# Altium PCB Stm32_2lados_pcb.PcbDoc (continued)
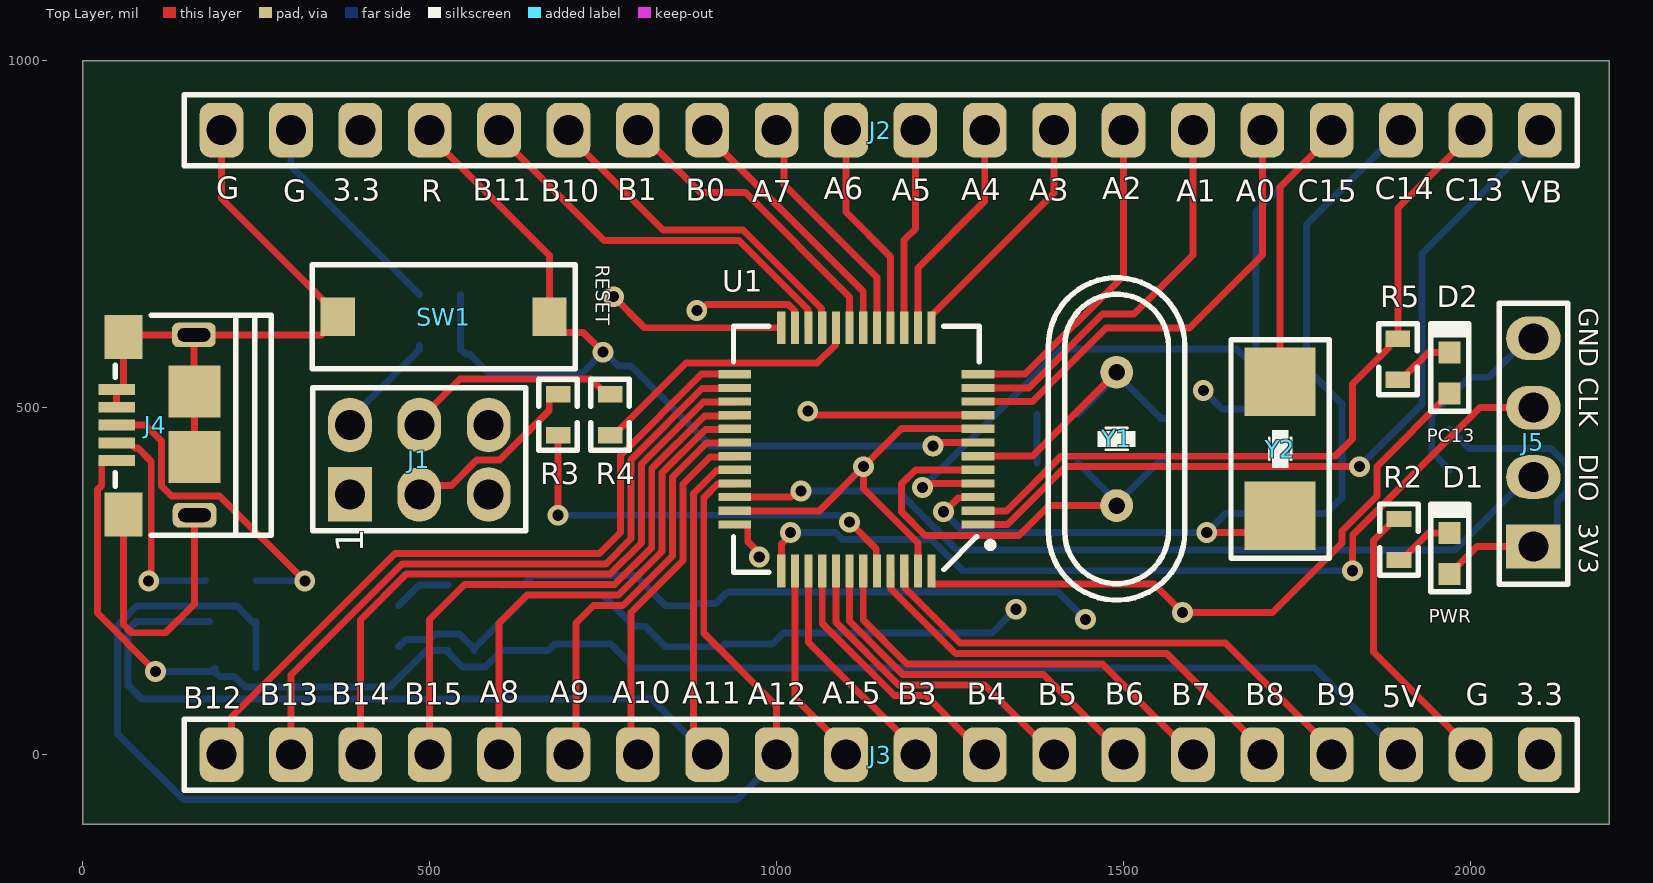
[diagram p0: Top Layer view]
## Part data (continued)
J3: library part HDR_1x20_p2, "2.54mm (0.1\") Pitch SIL Vertical PC Tail Pin Header, 6.1mm mating pin height, tin, 20 contacts", Case/Package=SIL, Color=Black, Contact Resistance=30mR, Current Rating=3A, Insulation Resistance=10GR, Manufacturer=Harwin, Manufacturer Part Number=M20-9992046, Max Operating Temperature=105°C, Min Operating Temperature=-40°C, Package Quantity=200, Supplier Part Number 1=952-1902-ND, Category="Headers and Wire Housings", ComponentLink1Description=https://datasheet.ciiva.com/11746/0900766b80da602d-11746823.pdf?src-supplier=RSComponents, ComponentLink1URL=https://datasheet.ciiva.com/11746/0900766b80da602d-11746823.pdf?src-supplier=RSComponents, ComponentLink2Description=https://datasheet.ciiva.com/9480/m20-999-9480261.pdf?src-supplier=Avnet, ComponentLink2URL=https://datasheet.ciiva.com/9480/m20-999-9480261.pdf?src-supplier=Avnet, ComponentLink3Description=https://datasheet.ciiva.com/5162/m20-999-351179-5162878.pdf?src-supplier=Mouser, ComponentLink3URL=https://datasheet.ciiva.com/5162/m20-999-351179-5162878.pdf?src-supplier=Mouser, ComponentLink4Description=https://datasheet.ciiva.com/6814/m20-999-6814908.pdf?src-supplier=Digi-Key, ComponentLink4URL=https://datasheet.ciiva.com/6814/m20-999-6814908.pdf?src-supplier=Digi-Key, ComponentLink5Description=https://datasheet.ciiva.com/8046/315376-8046943.pdf?src-supplier=Element14, ComponentLink5URL=https://datasheet.ciiva.com/8046/315376-8046943.pdf?src-supplier=Element14, Connector Type="Male Pin", Contact Material=Brass,Bronze, Contact Mating Length=0.24inch, Contact Plating=Tin, Contact Type="Male Pin", Depth=2.54mm, Gender=Male, Housing Color=Black, Housing Material=Nylon, Length=50.8mm, Max Current Rating=3A, Mount="Through Hole", Number of Contacts=20, Number of Positions=20, Number of Rows=1, Orientation=Straight, Packaging=Bulk, Pitch=2.54mm, Pricing 1="1=0,81000, 10=0,70300, 100=0,57960, 500=0,50400, 1000=0,41580, 5000=0,36540, 10000=0,34020 (USD)", REACH SVHC="No SVHC", RoHS=Yes, RoHS Compliant=Yes, Series=M20, Stock 1=425, Supplier 1=Digi-Key, Termination=Solder
J4: library part Micro-Usb, "FCI Right Angle Surface Mount Mount Female USB Connector; 100 V ac; 1.8A", Manufacturer="Amphenol ICC / FCI", Supplier Part Number 1=67T2259, Category="USB Connectors", ComponentLink1Description=http://uk.rs-online.com/webdocs/1450/0900766b814507f1.pdf?src-supplier=RSComponents, ComponentLink1URL=http://uk.rs-online.com/webdocs/1450/0900766b814507f1.pdf?src-supplier=RSComponents, ComponentLink2Description=http://www.amphenol-icc.com/media/wysiwyg/files/drawing/10118193.pdf?src-supplier=Digi-Key, ComponentLink2URL=http://www.amphenol-icc.com/media/wysiwyg/files/drawing/10118193.pdf?src-supplier=Digi-Key, ComponentLink3Description=https://cdn.amphenol-icc.com/media/wysiwyg/files/documentation/datasheet/inputoutput/io_usb_micro.pdf?src-supplier=Digi-Key, ComponentLink3URL=https://cdn.amphenol-icc.com/media/wysiwyg/files/documentation/datasheet/inputoutput/io_usb_micro.pdf?src-supplier=Digi-Key, ComponentLink4Description=https://cdn.amphenol-icc.com/media/wysiwyg/files/documentation/datasheet/inputoutput/io_usb_micro.pdf?src-supplier=Verical, ComponentLink4URL=https://cdn.amphenol-icc.com/media/wysiwyg/files/documentation/datasheet/inputoutput/io_usb_micro.pdf?src-supplier=Verical, ComponentLink5Description=https://cdn.amphenol-icc.com/media/wysiwyg/files/documentation/datasheet/inputoutput/io_usb_micro.pdf?src-supplier=Onlinecomponents.com, ComponentLink5URL=https://cdn.amphenol-icc.com/media/wysiwyg/files/documentation/datasheet/inputoutput/io_usb_micro.pdf?src-supplier=Onlinecomponents.com, ComponentLink6Description=https://cdn.amphenol-icc.com/media/wysiwyg/files/documentation/datasheet/inputoutput/io_usb_micro.pdf?src-supplier=Allied+Electronics, ComponentLink6URL=https://cdn.amphenol-icc.com/media/wysiwyg/files/documentation/datasheet/inputoutput/io_usb_micro.pdf?src-supplier=Allied+Electronics, ComponentLink7Description=https://cdn.amphenol-icc.com/media/wysiwyg/files/documentation/datasheet/inputoutput/io_usb_micro.pdf?src-supplier=Avnet, ComponentLink7URL=https://cdn.amphenol-icc.com/media/wysiwyg/files/documentation/datasheet/inputoutput/io_usb_micro.pdf?src-supplier=Avnet, ComponentLink8Description=https://cdn.amphenol-icc.com/media/wysiwyg/files/documentation/datasheet/inputoutput/io_usb_micro.pdf?src-supplier=Mouser, ComponentLink8URL=https://cdn.amphenol-icc.com/media/wysiwyg/files/documentation/datasheet/inputoutput/io_usb_micro.pdf?src-supplier=Mouser, ComponentLink9Description=https://cdn.amphenol-icc.com/media/wysiwyg/files/documentation/datasheet/inputoutput/io_usb_micro.pdf?src-supplier=Arrow+Electronics, ComponentLink9URL=https://cdn.amphenol-icc.com/media/wysiwyg/files/documentation/datasheet/inputoutput/io_usb_micro.pdf?src-supplier=Arrow+Electronics, ComponentLink10Description=https://cdn.amphenol-icc.com/media/wysiwyg/files/documentation/datasheet/inputoutput/io_usb_micro.pdf?src-supplier=RSComponents, ComponentLink10URL=https://cdn.amphenol-icc.com/media/wysiwyg/files/documentation/datasheet/inputoutput/io_usb_micro.pdf?src-supplier=RSComponents, ComponentLink11Description=https://cdn.amphenol-icc.com/media/wysiwyg/files/documentation/datasheet/inputoutput/io_usb_micro.pdf?src-supplier=Heilind+Electronics, ComponentLink11URL=https://cdn.amphenol-icc.com/media/wysiwyg/files/documentation/datasheet/inputoutput/io_usb_micro.pdf?src-supplier=Heilind+Electronics, ComponentLink12Description=https://cdn.amphenol-icc.com/media/wysiwyg/files/documentation/datasheet/inputoutput/io_usb_micro.pdf?src-supplier=TTI, ComponentLink12URL=https://cdn.amphenol-icc.com/media/wysiwyg/files/documentation/datasheet/inputoutput/io_usb_micro.pdf?src-supplier=TTI, ComponentLink13Description=https://cdn.amphenol-icc.com/media/wysiwyg/files/documentation/datasheet/inputoutput/io_usb_micro.pdf?src-supplier=TME, ComponentLink13URL=https://cdn.amphenol-icc.com/media/wysiwyg/files/documentation/datasheet/inputoutput/io_usb_micro.pdf?src-supplier=TME, Manufacturer Part Number=10118193-0001LF, Pricing 1="1=0,53800, 25=0,38000, 100=0,36700, 250=0,34300, 500=0,31900 (USD)", RoHS=No, Stock 1=17288, Supplier 1=Avnet
J5: library part HDR_1x4_2.54mm, "Conn Unshrouded Header HDR 4 POS 2.54mm Solder ST Top Entry Thru-Hole T/R", Color=Black, Current Rating=3A, Insulation Resistance=5GR, Manufacturer="Amphenol ICC / FCI", Manufacturer Part Number=77311-462K04LF, Max Operating Temperature=125°C, Max Voltage Rating (AC)=1.5kV, Min Operating Temperature=-65°C, Package Quantity=1400, Category="Headers and Wire Housings", ComponentLink1Description=https://datasheet.ciiva.com/739/77311-739277.pdf?src-supplier=Digi-Key, ComponentLink1URL=https://datasheet.ciiva.com/739/77311-739277.pdf?src-supplier=Digi-Key, ComponentLink2Description=https://datasheet.ciiva.com/739/77311-739280.pdf?src-supplier=Digi-Key, ComponentLink2URL=https://datasheet.ciiva.com/739/77311-739280.pdf?src-supplier=Digi-Key, ComponentLink3Description=https://datasheet.ciiva.com/10147/77311-10147511.pdf?src-supplier=Avnet, ComponentLink3URL=https://datasheet.ciiva.com/10147/77311-10147511.pdf?src-supplier=Avnet, Connector Type="Male Pin", Contact Gender=Male, Contact Material=Bronze, Contact Mating Length=0.531inch, Contact Plating=Tin, Contact Post Length=3.05mm, Contact Type="Male Pin", Depth=2.4mm, Gender=Male, Housing Color=Black, Housing Material=Thermoplastic, Lead Free="Lead Free", Length=10.16mm, Mount="Through Hole", Number of Contacts=4, Number of Positions=4, Number of Rows=1, Orientation=Straight, Packaging="Tape and Reel", Pitch=2.54mm, Radiation Hardening=No, RoHS=Yes, Series="BERGSTIK®, MezzSelect™, Basics+", Supplier 1="Arrow Electronics", Supplier Part Number 1=77311-462K04LF, Termination=Solder, Voltage Rating=1.5kV
R1: library part R_0603_10K, "Res Thin Film 0603 10K Ohm 0.5% 0.1W(1/10W) ±50ppm/C Epoxy SMD T/R", Case Code (Imperial)=0603, Case Code (Metric)=1608, Manufacturer=Yageo, Manufacturer Part Number=RT0603DRE0710KL, Max Operating Temperature=125°C, Max Power Dissipation=100mW, Min Operating Temperature=-55°C, Package Quantity=5000, Resistance=10kR, Resistor Type="Thin Film", Supplier Part Number 1=YAG2318CT-ND, Temperature Coefficient=50ppm/°C, Tolerance=0.5%, Voltage Rating=75V, Voltage Rating (DC)=50V, Case/Package=0603, Category="Chip SMD Resistors", ComponentLink1Description=https://datasheet.ciiva.com/2565/pyu-rt-1-to-0-05-rohs-l-5-2565939.pdf?src-supplier=Digi-Key, ComponentLink1URL=https://datasheet.ciiva.com/2565/pyu-rt-1-to-0-05-rohs-l-5-2565939.pdf?src-supplier=Digi-Key, Construction=Rectangular, Depth=0.8mm, Features="Moisture Resistant", Height=0.022inch, Lead Free="Lead Free", Length=0.063inch, Military Standard=Not, Number of Terminations=2, Packaging="Tape and Reel", Power Rating=100mW, Pricing 1="1=0,11000, 10=0,09600, 100=0,03700, 1000=0,01626, 2500=0,01404 (USD)", RoHS=Yes, RoHS Compliant=Yes, Series=RT, Size Code=0603, Stock 1=494, Supplier 1=Digi-Key, Termination=SMD/SMT, Width=0.031inch
R2 R5: library part R_0603_510r, "Res Thick Film 0603 510 Ohm 1% 1/10W 100ppm/C Molded SMD Paper T/R", Case Code (Imperial)=0603, Case Code (Metric)=1608, Manufacturer=Yageo, Manufacturer Part Number=RC0603FR-07510RL, Max Operating Temperature=155°C, Max Power Dissipation=100mW, Min Operating Temperature=-55°C, Resistance=510R, Resistance Tolerance=1%, Resistor Type="Thick Film", Supplier Part Number 1=311-510HRCT-ND, Temperature Coefficient=100ppm/°C, Voltage Rating=75V, Voltage Rating (DC)=50V, Case/Package=0603, Category="Chip SMD Resistors", ComponentLink1Description=https://datasheet.ciiva.com/11808/0900766b80f96399-11808268.pdf?src-supplier=RSComponents, ComponentLink1URL=https://datasheet.ciiva.com/11808/0900766b80f96399-11808268.pdf?src-supplier=RSComponents, ComponentLink2Description=https://datasheet.ciiva.com/46395/443971-46395013.pdf?src-supplier=Element14, ComponentLink2URL=https://datasheet.ciiva.com/46395/443971-46395013.pdf?src-supplier=Element14, ComponentLink3Description=https://datasheet.ciiva.com/8883/pyu-rc0603-51-rohs-l-4-8883078.pdf?src-supplier=Avnet, ComponentLink3URL=https://datasheet.ciiva.com/8883/pyu-rc0603-51-rohs-l-4-8883078.pdf?src-supplier=Avnet, Construction=Rectangular, Contact Plating=Tin,Matte, Depth=0.8mm, Features="Moisture Resistant", Height=0.45mm, Lead Free="Lead Free", Length=1.6mm, Military Standard=Not, Number of Pins=2, Number of Terminations=2, Packaging="Tape and Reel", Power Rating=100mW, Pricing 1="1=0,10000, 10=0,02300, 100=0,00930, 1000=0,00417, 2500=0,00362 (USD)", REACH SVHC="No SVHC", RoHS=Yes, RoHS Compliant=Yes, Series=RC, Size Code=0603, Stock 1=1855476, Supplier 1=Digi-Key, Technology="THICK FILM", Termination=SMD/SMT, Tolerance=1%, Weight=7.1E-05oz, Width=0.8mm
R3 R4: library part R_0603_100K, "RES SMD 100K OHM 1% 1/10W 0603", Case Code (Imperial)=0603, Case Code (Metric)=1608, Manufacturer=Yageo, Manufacturer Part Number=RC0603FR-07100KL, Max Operating Temperature=155°C, Max Power Dissipation=100mW, Min Operating Temperature=-55°C, Resistance=100kR, Resistance Tolerance=1%, Resistor Type="Thick Film", Supplier Part Number 1=311-100KHRCT-ND, Temperature Coefficient=100ppm/°C, Voltage Rating=50V, Working Voltage=75V, Case/Package=0603, Category="Chip SMD Resistors", ComponentLink1Description=https://datasheet.ciiva.com/11808/0900766b80f96399-11808107.pdf?src-supplier=RSComponents, ComponentLink1URL=https://datasheet.ciiva.com/11808/0900766b80f96399-11808107.pdf?src-supplier=RSComponents, ComponentLink2Description=https://datasheet.ciiva.com/7983/443971-7983593.pdf?src-supplier=Element14, ComponentLink2URL=https://datasheet.ciiva.com/7983/443971-7983593.pdf?src-supplier=Element14, ComponentLink3Description=https://datasheet.ciiva.com/22747/443971-22747516.pdf?src-supplier=Element14, ComponentLink3URL=https://datasheet.ciiva.com/22747/443971-22747516.pdf?src-supplier=Element14, ComponentLink4Description=https://datasheet.ciiva.com/46440/1868787-46440889.pdf?src-supplier=Element14, ComponentLink4URL=https://datasheet.ciiva.com/46440/1868787-46440889.pdf?src-supplier=Element14, ComponentLink5Description=https://datasheet.ciiva.com/7746/1738695-7746235.pdf?src-supplier=Element14, ComponentLink5URL=https://datasheet.ciiva.com/7746/1738695-7746235.pdf?src-supplier=Element14, ComponentLink6Description=https://datasheet.ciiva.com/7746/1738695-7746234.pdf?src-supplier=Element14, ComponentLink6URL=https://datasheet.ciiva.com/7746/1738695-7746234.pdf?src-supplier=Element14, Construction=Rectangular, Depth=0.8mm, Features="Moisture Resistant", Height=0.45mm, Lead Free="Lead Free", Length=1.6mm, Military Standard=Not, Number of Pins=2, Number of Terminations=2, Packaging="Tape and Reel", Power Rating=100mW, Pricing 1="1=0,10000, 10=0,02300, 100=0,00930, 1000=0,00417, 2500=0,00362 (USD)", REACH SVHC="No SVHC", RoHS=Yes, RoHS Compliant=Yes, Series=RC, Stock 1=18667121, Supplier 1=Digi-Key, Technology="THICK FILM", Termination=SMD/SMT, Tolerance=1%, Voltage Rating (DC)=50V, Width=0.8mm
R6 R7: library part R_0603_20r, "Res Thick Film 0603 20 Ohm 1% 0.1W(1/10W) ±100ppm/C Pad SMD T/R", Case Code (Imperial)=0603, Case Code (Metric)=1608, Manufacturer=Yageo, Manufacturer Part Number=RC0603FR-0720RL, Max Operating Temperature=155°C, Max Power Dissipation=100mW, Min Operating Temperature=-55°C, Package Quantity=1, Resistance=20R, Resistance Tolerance=1%, Resistor Type="Thick Film", Supplier Part Number 1=311-20.0HRCT-ND, Temperature Coefficient=100ppm/°C, Voltage Rating=50V, Working Voltage=75V, Case/Package=0603, Category="Chip SMD Resistors", ComponentLink1Description=https://datasheet.ciiva.com/11819/0900766b80f96399-11819290.pdf?src-supplier=RSComponents, ComponentLink1URL=https://datasheet.ciiva.com/11819/0900766b80f96399-11819290.pdf?src-supplier=RSComponents, ComponentLink2Description=https://datasheet.ciiva.com/46395/443971-46395031.pdf?src-supplier=Element14, ComponentLink2URL=https://datasheet.ciiva.com/46395/443971-46395031.pdf?src-supplier=Element14, ComponentLink3Description=https://datasheet.ciiva.com/2454/pyu-r-int-thick-7-2454028.pdf?src-supplier=Digi-Key, ComponentLink3URL=https://datasheet.ciiva.com/2454/pyu-r-int-thick-7-2454028.pdf?src-supplier=Digi-Key, ComponentLink4Description=https://datasheet.ciiva.com/2454/pyu-r-int-thick-7-2454029.pdf?src-supplier=Digi-Key, ComponentLink4URL=https://datasheet.ciiva.com/2454/pyu-r-int-thick-7-2454029.pdf?src-supplier=Digi-Key, ComponentLink5Description=https://datasheet.ciiva.com/2454/pyu-r-int-thick-7-2454027.pdf?src-supplier=Digi-Key, ComponentLink5URL=https://datasheet.ciiva.com/2454/pyu-r-int-thick-7-2454027.pdf?src-supplier=Digi-Key, ComponentLink6Description=https://datasheet.ciiva.com/12557/rc0603-272842-12557941.pdf?src-supplier=Mouser, ComponentLink6URL=https://datasheet.ciiva.com/12557/rc0603-272842-12557941.pdf?src-supplier=Mouser, ComponentLink7Description=https://datasheet.ciiva.com/15189/getdatasheetpartid-324013-15189653.pdf?src-supplier=Verical, ComponentLink7URL=https://datasheet.ciiva.com/15189/getdatasheetpartid-324013-15189653.pdf?src-supplier=Verical, Construction=Rectangular, Depth=0.8mm, Features="Moisture Resistant", Height=0.45mm, Lead Free="Lead Free", Length=1.6mm, Military Standard=Not, Number of Terminations=2, Packaging="Tape and Reel", Power Rating=100mW, Pricing 1="1=0,10000, 10=0,02300, 100=0,00930, 1000=0,00417, 2500=0,00362 (USD)", REACH SVHC="No SVHC", RoHS=Yes, RoHS Compliant=Yes, Series=RC, Stock 1=807169, Supplier 1=Digi-Key, Technology="THICK FILM", Termination=SMD/SMT, Tolerance=1%, Voltage Rating (DC)=50V, Width=0.8mm
R8: library part R_0603_1,5k, "Res Thin Film 0603 1.5K Ohm 0.1% 1/10W ±25ppm/°C 0.01% Molded SMD SMD Waffle Pack", Case Code (Imperial)=0603, Case Code (Metric)=1608, Manufacturer="Vishay Dale", Manufacturer Part Number=M55342E12B1B50RWS, Max Operating Temperature=150°C, Max Power Dissipation=100mW, Min Operating Temperature=-55°C, Package Quantity=1, Resistance=1.5kR, Resistor Type="Thin Film", Supplier Part Number 1=M55342E12B1B50RWS-MIL, Temperature Coefficient=25ppm/°C, Tolerance=0.1%, Case/Package=0603, Category="Chip SMD Resistors", ComponentLink1Description=https://datasheet.ciiva.com/14991/eh-14991606.pdf?src-supplier=Digi-Key, ComponentLink1URL=https://datasheet.ciiva.com/14991/eh-14991606.pdf?src-supplier=Digi-Key, Contact Plating=Tin,Lead, Failure Rate=0.01%, Features=Military, Height=0.033inch, Length=0.064inch, Military Standard=MIL-PRF-55342, Number of Terminations=2, Packaging=Waffle, Radiation Hardening=No, RoHS=No, RoHS Compliant=No, Series="Military, MIL-PRF-55342, RM0603", Supplier 1=Digi-Key, Width=0.032inch
R9: library part R_0603_1M, "Res Thick Film 0603 1M Ohm 1% 1/10W ±100ppm/°C Molded SMD Paper T/R", Case Code (Imperial)=0603, Case Code (Metric)=1608, Manufacturer=Yageo, Manufacturer Part Number=RC0603FR-071ML, Max Operating Temperature=155°C, Min Operating Temperature=-55°C, Package Quantity=5000, Power Rating=100mW, Resistance=1MR, Resistor Type="Thick Film", Supplier Part Number 1=311-1.00MHRCT-ND, Temperature Coefficient=100ppm/°C, Tolerance=1%, Voltage Rating=75V, Voltage Rating (DC)=50V, Application(s)="HIGH RELIABILITY", Case/Package=0603, Category="Chip SMD Resistors", ComponentLink1Description=https://datasheet.ciiva.com/11819/0900766b80f96399-11819295.pdf?src-supplier=RSComponents, ComponentLink1URL=https://datasheet.ciiva.com/11819/0900766b80f96399-11819295.pdf?src-supplier=RSComponents, ComponentLink2Description=https://datasheet.ciiva.com/7983/443971-7983614.pdf?src-supplier=Element14, ComponentLink2URL=https://datasheet.ciiva.com/7983/443971-7983614.pdf?src-supplier=Element14, ComponentLink3Description=https://datasheet.ciiva.com/12555/rc0603-272842-12555388.pdf?src-supplier=Mouser, ComponentLink3URL=https://datasheet.ciiva.com/12555/rc0603-272842-12555388.pdf?src-supplier=Mouser, Depth=0.8mm, Height=0.45mm, Lead Free="Lead Free", Length=1.6mm, Military Standard=Not, Number of Pins=2, Packaging="Cut Tape", Pricing 1="1=0,10000, 10=0,02300, 100=0,00930, 1000=0,00417, 2500=0,00362 (USD)", REACH SVHC="No SVHC", RoHS=Yes, RoHS Compliant=Yes, Series=RC, Stock 1=2868696, Supplier 1=Digi-Key, Technology="THICK FILM", Termination=SMD/SMT, Type="General Purpose", Weight=0.000847oz, Width=0.8mm
SW1: library part "Button N/O", "Switch Tactile N.O. SPST Rectangular Button F-Lead 0.05A 12VDC 2.45N SMD T/R", Manufacturer="ITT C&K", Manufacturer Part Number=PTS636SK25FSMTRLFS, Supplier Part Number 1=CKN12330-1-ND, Pricing 1="1=0,18000, 10=0,17400, 25=0,16480, 100=0,14980, 250=0,14080, 500=0,12882, 1000=0,10786 (USD)", RoHS=No, Stock 1=25598, Supplier 1=Digi-Key
U1: "IC MCU 32BIT 64KB FLASH 48LQFP", Case/Package=LQFP, Frequency=72MHz, Manufacturer=STMicroelectronics, Max Operating Temperature=85°C, Max Power Dissipation=363mW, Max Supply Voltage=3.6V, Min Operating Temperature=-40°C, Min Supply Voltage=2V, Package Quantity=1500, Supplier Part Number 1=497-6063-ND, Address Bus Width=32b, Category=Microcontrollers, ComponentLink1Description=https://datasheet.ciiva.com/15122/getdatasheetpartid-69880-15122076.pdf?src-supplier=Verical, ComponentLink1URL=https://datasheet.ciiva.com/15122/getdatasheetpartid-69880-15122076.pdf?src-supplier=Verical, ComponentLink2Description=https://datasheet.ciiva.com/8054/1730126-8054942.pdf?src-supplier=Element14, ComponentLink2URL=https://datasheet.ciiva.com/8054/1730126-8054942.pdf?src-supplier=Element14, ComponentLink3Description=https://datasheet.ciiva.com/14100/pustm-arm-microcont-stm32f103-en-14100508.pdf?src-supplier=Distrelec, ComponentLink3URL=https://datasheet.ciiva.com/14100/pustm-arm-microcont-stm32f103-en-14100508.pdf?src-supplier=Distrelec, ComponentLink4Description=https://datasheet.ciiva.com/16210/cd00161566-16210248.pdf?src-supplier=Future+Electronics, ComponentLink4URL=https://datasheet.ciiva.com/16210/cd00161566-16210248.pdf?src-supplier=Future+Electronics, ComponentLink5Description=https://datasheet.ciiva.com/48687/001075658-da-01-en-mcu-64kb-mem-stm32f103c8t6-lqfp-48-stm-48687589.pdf?src-supplier=Conrad, ComponentLink5URL=https://datasheet.ciiva.com/48687/001075658-da-01-en-mcu-64kb-mem-stm32f103c8t6-lqfp-48-stm-48687589.pdf?src-supplier=Conrad, Core Architecture=ARM, Data Bus Width=32b, Density=64KB, Height=1.4mm, Interface=I2C,SPI,USB,CAN,USART, Lead Free="Lead Free", Length=7mm, Manufacturer Part Number=STM32F103C8T6, Max Frequency=72MHz, Memory Size=64KB, Memory Type=FLASH, Number of ADC Channels=10, Number of Bits=32, Number of I2C Channels=2, Number of I/Os=37, Number of Pins=48, Number of Programmable I/O=48, Number of PWM Channels=1, Number of SPI Channels=2, Number of Timers/Counters=3, Oscillator Type=Internal, Packaging=Tray, Peripherals="POR,PWM,WDT,DMA,Temp Sensor,I2C", Radiation Hardening=No, RAM Size=20KB, REACH SVHC="No SVHC", RoHS=Yes, RoHS Compliant=Yes, Series=STM32F103C8, Supplier 1=Digi-Key, Termination=SMD/SMT, Watchdog Timer=Yes, Weight=0.006349oz, Width=7mm
U2: "IC REG LDO 3.3V 0.3A SOT23-5", Case/Package=SOT-23-5, Dropout Voltage=220mV, Manufacturer=Richtek, Max Input Voltage=5.5V, Max Operating Temperature=125°C, Min Current Limit=360mA, Min Input Voltage=2.5V, Min Operating Temperature=-40°C, Nominal Output Voltage=3.3V, Output Current=300mA, Supplier Part Number 1=1028-1014-1-ND, Category="Voltage Regulators - Linear", ComponentLink1Description=https://datasheet.ciiva.com/2046/3d3futf-83fb3frfm5mtkzlte2lnbkzg3d3d3f3d-2046896.pdf?src-supplier=Digi-Key, ComponentLink1URL=https://datasheet.ciiva.com/2046/3d3futf-83fb3frfm5mtkzlte2lnbkzg3d3d3f3d-2046896.pdf?src-supplier=Digi-Key, ComponentLink2Description=https://datasheet.ciiva.com/28652/1782157-28652989.pdf?src-supplier=Element14, ComponentLink2URL=https://datasheet.ciiva.com/28652/1782157-28652989.pdf?src-supplier=Element14, Lead Free="Lead Free", Manufacturer Part Number=RT9193-33GB, Mount="Surface Mount", Number of Pins=5, Number of Regulators=1, Output Voltage=3.3V, Packaging="Tape and Reel", Pricing 1="1=0,50000, 10=0,40900, 25=0,37360, 100=0,27810, 250=0,25208, 500=0,20860, 1000=0,15646 (USD)", REACH SVHC=Unknown, RoHS=Yes, RoHS Compliant=Yes, Series=-, Stock 1=13168, Supplier 1=Digi-Key
Y1: library part CK_8Mhz, "Crystal 8MHz ±20ppm (Tol) ±50ppm (Stability) 18pF FUND 80Ohm 2-Pin HC-49/US Thru-Hole Bulk", ESR (Equivalent Series Resistance)=80R, Frequency=8MHz, Frequency Stability=50ppm, Frequency Tolerance=20ppm, Load Capacitance=18pF, Manufacturer=Abracon, Manufacturer Part Number=ABL-8.000MHZ-B2, Max Operating Temperature=70°C, Min Operating Temperature=-20°C, Operating Frequency="8 MHz", Package Quantity=1000, Supplier Part Number 1=535-9062-ND, Category=Resonators, ComponentLink1Description=https://datasheet.ciiva.com/862/abl-862079.pdf?src-supplier=Digi-Key, ComponentLink1URL=https://datasheet.ciiva.com/862/abl-862079.pdf?src-supplier=Digi-Key, ComponentLink2Description=https://datasheet.ciiva.com/7998/1359171-7998413.pdf?src-supplier=Element14, ComponentLink2URL=https://datasheet.ciiva.com/7998/1359171-7998413.pdf?src-supplier=Element14, Height=0.138inch, Lead Free="Lead Free", Length=0.453inch, Mount="Through Hole", Number of Pins=2, Packaging=Bulk, Pricing 1="1=0,33000, 10=0,27800, 50=0,25000, 100=0,22220, 500=0,21108, 1000=0,17776, 2500=0,16665, 5000=0,16110, 10000=0,15554 (USD)", Radiation Hardening=No, REACH SVHC="No SVHC", RoHS=Yes, Series=ABL, Series Resistance=80R, Stock 1=22979, Supplier 1=Digi-Key, Termination=Radial, Tolerance=20ppm, Width=0.197inch
Y2: library part CK_32.768Khz, "Crystal, Plastic Molded 32.768Khz, 6Pf, 10Ppm-40+85C, 8 X 3.8 X 2.5 Rohs Compliant: Yes", Case/Package=SMD/SMT, ESR (Equivalent Series Resistance)=50kR, Frequency=32.768kHz, Frequency Tolerance=10ppm, Load Capacitance=6pF, Manufacturer=Abracon, Manufacturer Part Number=ABS25-32.768KHZ-6-1-T, Max Operating Temperature=85°C, Min Operating Temperature=-40°C, Operating Frequency="32.768 kHz", Package Quantity=3000, Supplier Part Number 1=535-10241-1-ND, Category=Crystals, ComponentLink1Description=https://datasheet.ciiva.com/854/abs25-854528.pdf?src-supplier=Avnet, ComponentLink1URL=https://datasheet.ciiva.com/854/abs25-854528.pdf?src-supplier=Avnet, ComponentLink2Description=https://datasheet.ciiva.com/854/abs25-854872.pdf?src-supplier=Digi-Key, ComponentLink2URL=https://datasheet.ciiva.com/854/abs25-854872.pdf?src-supplier=Digi-Key, ComponentLink3Description=https://datasheet.ciiva.com/854/abs25-854873.pdf?src-supplier=Digi-Key, ComponentLink3URL=https://datasheet.ciiva.com/854/abs25-854873.pdf?src-supplier=Digi-Key, ComponentLink4Description=https://datasheet.ciiva.com/854/abs25-854874.pdf?src-supplier=Digi-Key, ComponentLink4URL=https://datasheet.ciiva.com/854/abs25-854874.pdf?src-supplier=Digi-Key, ComponentLink5Description=https://datasheet.ciiva.com/4944/abs25-35653-4944891.pdf?src-supplier=Mouser, ComponentLink5URL=https://datasheet.ciiva.com/4944/abs25-35653-4944891.pdf?src-supplier=Mouser, ComponentLink6Description=https://datasheet.ciiva.com/16416/abs25-16416758.pdf?src-supplier=Future+Electronics, ComponentLink6URL=https://datasheet.ciiva.com/16416/abs25-16416758.pdf?src-supplier=Future+Electronics, ComponentLink7Description=https://datasheet.ciiva.com/1357/1856019-1357323.pdf?src-supplier=Element14, ComponentLink7URL=https://datasheet.ciiva.com/1357/1856019-1357323.pdf?src-supplier=Element14, Depth=3.8mm, Height=0.098inch, Lead Free="Lead Free", Length=8mm, Mount="Surface Mount", Number of Pins=4, Packaging="Tape and Reel", Pricing 1="1=1,26000, 10=1,20600, 50=1,17800, 100=1,00980, 500=0,98176, 1000=0,82748 (USD)", Radiation Hardening=No, REACH SVHC="No SVHC", RoHS=Yes, RoHS Compliant=Yes, Series=ABS25, Series Resistance=50kR, Stock 1=153989, Supplier 1=Digi-Key, Termination=SMD/SMT, Tolerance=10ppm, Width=0.15inch

## Via types
v1: diameter 30, hole 16, Top Layer to Bottom Layer, 23 vias

## Nets (pads, with @x,y where several pads share a name; then routed paths per layer and width w, separated by ;. In a path a pad name is that pad's centre, name@x,y a point inside that pad or via, vN(x,y) a via of type N, cw(c..) or ccw(c..) an arc to the next point about the centre after c; other vN are vias at no path point)
+5: C2.2 C3.2 J3.3 J4.1 R8.1 U2.1 U2.3 | length 2289
  Top Layer w10: J4.1 30.2,423.82 27.32,420.94 27.32,387.84 21.18,381.7 21.18,203.82 v1(105,120)
  Bottom Layer w10: v1(105,120) 185.47,120 R8.1 190.47,119.09 197.28,112.28 218.57,112.28 233.57,97.28 442.45,97.28 495.17,150 U2.3 526.29,147.24 547.31,126.22 580.07,126.22 601.09,147.24 U2.1 670.43,150 C2.2 760.91,159.57 C3.2 795.47,125 1775,125 1872.26,27.74 1874.32,27.74 1900,2.06 J3.3
BOOT0: R3.1 U1.44 | length 626.2
  Top Layer w10: v1(685,345) R3.1 ; v1(1105,335) 1143.62,296.38 1143.62,265.71 U1.44
  Bottom Layer w10: v1(685,345) 1089.59,345 1099.59,335 v1(1105,335)
BOOT0_R: J1.3 R3.2 | length 269.8
  Top Layer w10: J1.3 498.05,388.05 531.5,388.05 567.81,424.37 600.93,424.37 672.28,495.73 672.28,512.72 679.09,519.53 R3.2
BOOT1: R4.2 U1.20 | length 403.6
  Top Layer w10: R4.2 765.91,460.47 869.61,564.17 1058.43,564.17 1084.57,590.31 1084.57,614.29 U1.20
BOOT1_R: J1.4 R4.1 | length 316.1
  Top Layer w10: J1.4 485,482.87 543.46,541.34 732.28,541.34 754.09,519.53 R4.1
BP_C: C4.2 U2.4 | length 83.7
  Bottom Layer w10: C4.2 484.96,244.49 U2.4
D+_R: J4.3 R7.1 | length 472.6
  Top Layer w10: J4.3 90.47,475 113.7,451.77 113.7,387.2 128.1,372.8 197.2,372.8 v1(320,250)
  Bottom Layer w10: R7.1 250.58,250.58 319.42,250.58 v1(320,250)
D-_R: J4.2 R6.1 | length 317.5
  Top Layer w10: J4.2 67.6,449.41 75.32,441.69 79.61,441.69 98.7,422.61 98.7,253.7 v1(95,250)
  Bottom Layer w10: v1(95,250) 95.58,250.58 176.42,250.58 R6.1
GND: C1.1 C2.1 C3.1 C4.1 C5.1 C6.1 C7.1 C8.1 C9.1 C10.1 C12.1 C13.1 C15.1 J1.5 J1.6 J2.19 J2.20 J3.2 J4.4 J4.5 J4.6 J4.7 J4.8 J4.9 J4.10 J4.11 J5.4 R2.2 SW1.1 U1.8 U1.23 U1.35 U1.47 U2.2 | length 4308.3
  Top Layer w10: J4.4 J4.5 55.87,526.18 58.74,529.06 J4.7 61.69,604.92 J4.9 ; J4.6 58.74,187.47 70.61,175.61 119.39,175.61 161.1,217.32 J4.8 ; J4.10 J4.11 160.12,524.21 J4.9 ; J2.20 200,801.62 370,631.62 SW1.1@370,628.67 ; SW1.1@370,625 SW1.1@370,628.67 ; v1(885,640.2) 890.41,640.2 899.03,648.82 1016.78,648.82 1025.51,640.09 1025.51,616.1 U1.23 ; U1.35 1061.42,351.42 v1(1125,415) ; U1.47 1203.58,305.2 1125,383.79 v1(1125,415) ; U1.8@1272.48,469.53 U1.8 1289.9,469.82 1179.82,469.82 v1(1125,415) ; R2.2 1891.09,339.53 1860,308.44 1860,147.87 2000,7.87 J3.2 ; J4.9 344.08,604.92 367.44,628.28 SW1.1 SW1.1@370,628.67
  Bottom Layer w10: J2.19 300,848.47 C1.1 ; C4.1 465.75,166.22 499.82,166.22 507.38,173.78 542.67,173.78 U2.2@563.69,152.76 ; U2.2 U2.2@563.69,152.76 ; v1(1345,209.53) 1344.53,209.53 1310.47,175.47 C10.1 C9.1 C8.1 C7.1 994.09,159.57 C5.1 920.91,155.47 C6.1 810.47,185 794.53,185 C3.1 749.09,230.43 C2.1 641.37,230.43 U2.2@563.69,152.76 ; v1(1615,525) 1642.18,497.82 C15.1 C12.1 ; C13.1 1944.25,436.22 1944.25,489.42 1998.73,543.89 2026.72,543.89 2082.82,600 J5.4
NetC11_1: C11.1 C14.1 | length 70
  Bottom Layer w10: C11.1 C14.1
OSCIN: C11.2 R9.2 U1.5 Y1.2 | length 681.5
  Top Layer w10: U1.5 1200.12,410.47 1180,390.36 1180,350 1214.17,315.83 1349.62,315.83 1392.73,358.94 Y1.2
  Bottom Layer w10: C11.2 1490,364.53 Y1.2@1490,361.38 ; Y1.2 Y1.2@1490,361.38 ; R9.2 1554.09,425.47 Y1.2@1490,361.38
OSCOUT: C14.2 R9.1 U1.6 Y1.1 | length 430.5
  Top Layer w10: U1.6 1369.09,430.16 Y1.1
  Bottom Layer w10: C14.2 1490,545.47 Y1.1@1490,548.62 ; Y1.1 Y1.1@1490,548.62 ; R9.1 1554.09,484.53 Y1.1@1490,548.62
PA0: J2.5 U1.10 | length 677.2
  Top Layer w10: U1.10 1368.9,508.9 1475,615 1595,615 1700,720 J2.5
PA1: J2.6 U1.11 | length 569.1
  Top Layer w10: U1.11 1363.58,528.58 1470,635 1515,635 1600,720 J2.6
PA2: J2.7 U1.12 | length 478.5
  Top Layer w10: U1.12 1358.27,548.27 1500,690 J2.7
PA3: J2.8 U1.13 | length 358
  Top Layer w10: U1.13 1223.27,632.91 1400,809.65 J2.8
PA4: J2.9 U1.14 | length 324.7
  Top Layer w10: U1.14 1203.58,701.47 1300,797.89 J2.9
PA5: J2.10 U1.15 | length 291.5
  Top Layer w10: U1.15 1183.9,741.63 1200,757.73 J2.10
PA6: J2.11 U1.16 | length 311.4
  Top Layer w10: J2.11 1100,781.79 1164.21,717.57 U1.16
PA7: J2.12 U1.17 | length 344.7
  Top Layer w10: J2.12 1010.75,889.25 1010.75,821.58 1144.53,687.8 U1.17
PA8: J3.16 U1.29 | length 712.2
  Top Layer w10: J3.16 600,190 640,230 772.43,230 835,292.57 835,406.21 897.41,468.62 938.9,468.62 U1.29
PA9: J3.15 U1.30 | length 597.6
  Top Layer w10: J3.15 710.75,10.75 710.75,189.89 735.86,215 778.64,215 850,286.36 850,400 898.94,448.94 938.9,448.94 U1.30
PA10: J3.14 U1.31 | length 516.6
  Top Layer w10: J3.14 790,10 790,205 865,280 865,390 904.25,429.25 938.9,429.25 U1.31
PA11: J3.13 R6.2 U1.32 | length 1539
  Top Layer w10: J3.13 880.14,19.86 880.14,40.09 880,40.23 880,376.18 913.38,409.57 938.9,409.57 U1.32
  Bottom Layer w10: R6.2@182.9,192.1 R6.2 77.1,192.1 65,180 65,100 85,80 820,80 872.26,27.74 874.32,27.74 900,2.06 J3.13
PA12: J3.12 R7.2 R8.2 U1.33 | length 1931.8
  Top Layer w10: U1.33 938.9,389.88 914.91,389.88 895,369.97 895,175 1000,70 J3.12
  Bottom Layer w10: R8.2 249.53,191.62 R7.2 244.09,192.1 222.28,213.91 77.69,213.91 50,186.21 50,30 145,-65 942.87,-65 1000,-7.87 J3.12
PA15: J3.11 U1.38 | length 295.3
  Top Layer w10: U1.38 1026.42,81.46 1100,7.87 J3.11
PB0: J2.13 U1.18 | length 377.9
  Top Layer w10: J2.13 900,892.13 1124.84,667.28 U1.18
PB1: J2.14 U1.19 | length 450.5
  Top Layer w10: J2.14 800,897.94 825.68,872.26 827.74,872.26 890,810 955,810 1105.16,659.84 U1.19
PB3: J3.10 U1.39 | length 328.5
  Top Layer w10: U1.39 1046.1,161.77 1200,7.87 J3.10
PB4: J3.9 U1.40 | length 389.4
  Top Layer w10: U1.40 1065.79,189.21 1170,85 1215,85 1272.26,27.74 1274.32,27.74 1300,2.06 J3.9
PB5: J3.8 U1.41 | length 468.8
  Top Layer w10: U1.41 1085.47,190.74 1175.61,100.61 1299.39,100.61 1372.26,27.74 1374.32,27.74 1400,2.06 J3.8
PB6: J3.7 U1.42 | length 548.2
  Top Layer w10: U1.42 1105.16,192.27 1181.82,115.61 1384.39,115.61 1472.26,27.74 1474.32,27.74 1500,2.06 J3.7
PB7: J3.6 U1.43 | length 627.6
  Top Layer w10: U1.43 1124.84,193.8 1188.03,130.61 1469.39,130.61 1572.26,27.74 1574.32,27.74 1600,2.06 J3.6
PB8: J3.5 U1.45 | length 665
  Top Layer w10: U1.45 1165.12,263.9 1165.12,238.38 1257.9,145.61 1562.27,145.61 1700,7.87 J3.5
PB9: J3.4 U1.46 | length 744.5
  Top Layer w10: U1.46 1184.8,263.9 1184.8,239.91 1264.11,160.61 1647.27,160.61 1800,7.87 J3.4
PB10: J2.15 U1.21 | length 504.2
  Top Layer w10: J2.15 700,892.13 835.95,756.18 951.85,756.18 1064.88,643.14 1064.88,616.1 U1.21
PB11: J2.16 U1.22 | length 583.6
  Top Layer w10: J2.16 600,892.13 750.95,741.18 945.64,741.18 1045.2,641.61 1045.2,616.1 U1.22
PB12: J3.20 U1.25 | length 1055.5
  Top Layer w10: J3.20 214.37,14.37 214.37,54.37 450,290 745,290 775,320 775,431.21 892.05,548.27 U1.25
PB13: J3.19 U1.26 | length 992.8
  Top Layer w10: J3.19 300,115 460,275 753.79,275 790,311.21 790,425 892.68,527.68 938.9,527.68 U1.26
PB14: J3.18 U1.27 | length 930.7
  Top Layer w10: J3.18 400,193.79 466.21,260 760,260 805,305 805,418.64 894.35,507.99 938.9,507.99 U1.27
PB15: J3.17 U1.28 | length 823.2
  Top Layer w10: J3.17 500,195 550,245 766.21,245 820,298.79 820,412.43 895.88,488.31 938.9,488.31 U1.28
PC13: J2.2 R5.2 U1.2 | length 1101.6
  Top Layer w10: U1.2 1331.42,351.42 1410,430 1805,430 1830,455 1830,534.07 1882.75,586.81 1882.75,592.72 1889.56,599.53 R5.2 1895.46,787.59 2000,892.13 J2.2
PC13_R: D2.1 R5.1 | length 91.4
  Top Layer w10: R5.1 1901.37,540.47 1908.18,547.28 1908.18,548.45 1939.25,579.53 D2.1
PC14: C12.2 J2.3 U1.3 Y2.2 | length 1389.6
  Top Layer w10: v1(1240.31,350) 1242.03,350 1262.23,370.2 1289.29,370.2 U1.3 ; v1(1620,320) 1701.46,320 Y2.2
  Bottom Layer w10: v1(1240.31,350) 1240.31,349.69 1270,320 v1(1620,320) 1647.34,347.34 1791.48,347.34 1815,370.86 1815,505.63 C12.2 1763.75,763.75 J2.3
PC15: C15.2 J2.4 U1.4 Y2.1 | length 1439
  Top Layer w10: v1(1210.18,385.18) 1215.59,385.18 1221.2,390.79 U1.4 ; Y2.1 1725.75,817.87 1800,892.13 J2.4
  Bottom Layer w10: v1(1210.18,385.18) 1409.69,584.69 1662.94,584.69 C15.2 1690.75,782.87 1800,892.13 J2.4
PWR_R: D1.1 R2.1 | length 90.8
  Top Layer w10: R2.1 1902.9,280.47 1909.71,287.28 1909.71,289.99 1939.25,319.53 D1.1
RESET: C1.2 J2.17 R1.1 SW1.2 U1.7 | length 1357.7
  Top Layer w10: J2.17 500,892.13 672.56,719.57 672.56,628.28 692.17,608.67 721.33,608.67 v1(750,580) ; v1(1225.18,444.82) 1230.59,444.82 1235.61,449.84 U1.7
  Bottom Layer w10: J2.17@500,892.13 J2.17 ; C1.2 544.53,584.09 551.34,577.28 557.24,577.28 584.53,550 720,550 v1(750,580) 752.43,580 772.43,560 790,560 905,445 1225,445 v1(1225.18,444.82)
SWDCLK: J5.3 U1.37 | length 1281.5
  Top Layer w10: U1.37 1006.73,303.43 1020,316.69 v1(1020,320) ; v1(1830,265) 1830,295 1830.35,295.35 1830.35,316.55 2013.8,500 J5.3
  Bottom Layer w10: v1(1020,320) 1084.64,320 1094.64,310 1223.43,310 1268.43,265 v1(1830,265)
SWDIO: J5.2 U1.34 | length 1233.3
  Top Layer w10: U1.34 1020.69,371.1 1029.59,380 v1(1035,380)
  Bottom Layer w10: v1(1035,380) 1174.64,380 1259.64,295 1977.82,295 2082.82,400 J5.2
VBAT: J2.1 U1.1 | length 1184.9
  Top Layer w10: U1.1 1332.95,331.73 1416.21,415 v1(1840,415) ; J2.1@2100,892.13 J2.1
  Bottom Layer w10: v1(1840,415) 1930,505 1930,722.13 2100,892.13 J2.1
VCC3V3: C5.2 C6.2 C7.2 C8.2 C9.2 C10.2 C13.2 D1.2 D2.2 J1.1 J1.2 J2.18 J3.1 J5.1 R1.2 U1.9 U1.24 U1.36 U1.48 U2.5 | length 3191.7
  Top Layer w10: v1(765,660) 809.8,615.2 U1.24 ; U1.36 957.52,331.73 958.43,330.83 958.43,306.99 975,290.41 v1(975,285) ; v1(1045,495) 1050.41,495 1056.2,489.21 U1.9 ; U1.48 1223.27,247.09 1224.17,246.18 1543.82,246.18 v1(1585,205) 1715,205 1815,305 1815,322.41 1865,372.41 1865,415.47 D2.2 ; D1.2 2009.53,300 J5.1
  VCC w10: v1(1445,195) 1511.91,195 1521.91,205 v1(1585,205)
  Bottom Layer w10: J1.2 385,483.62 485.47,584.09 R1.2 ; U2.5 634.21,244.49 647.87,258.15 796.38,258.15 C6.2 875.98,214.53 879.17,217.72 912.28,217.72 C5.2 929.09,234.53 C7.2 C8.2 C9.2 C10.2 1405.47,234.53 v1(1445,195) ; C13.2 1998.03,441.5 2115.76,441.5 2140.07,417.19 2140.07,379.34 2125.07,364.34 2125.07,326.5 2098.57,300 J5.1

## Polygon pours and split planes (outlines as drawn)
GND on GND "GND_L03_P000" (solid, pour order 0): 125,960 470,960 760,670 2090,670 2160,600 2160,70 2025,-65 1550,-65 1375,110 310,110 75,345 75,910
VCC3V3 on VCC "VCC3V3_L02_P001" (solid, pour order 1): 275,950 1775,950 2150,575 2150,-25 2100,-75 1500,-75 1250,175 425,175 200,400 200,875

## Text inside footprints (layer, text, board x,y; h text height)
J1: Top Overlay "1" at 403.94,291.06 h39.37 r90
J2: Assembly Notes "G" at 192.09,801.09 h31.5; Assembly Notes "G" at 289.09,797.09 h31.5; Assembly Notes "3.3" at 360.09,798.09 h31.5; Assembly Notes "R" at 488.09,797.09 h31.5; Assembly Notes "B11" at 562.09,798.09 h31.5; Assembly Notes "B10" at 660.09,797.09 h31.5; Assembly Notes "B1" at 770.09,799.09 h31.5; Assembly Notes "B0" at 869.09,798.09 h31.5; Assembly Notes "A7" at 965.09,796.09 h31.5; Assembly Notes "A6" at 1068.09,800.09 h31.5; Assembly Notes "A5" at 1166.09,798.09 h31.5; Assembly Notes "A4" at 1266.09,799.09 h31.5; Assembly Notes "A3" at 1364.09,798.09 h31.5; Assembly Notes "A2" at 1469.09,800.09 h31.5; Assembly Notes "A1" at 1576.09,797.09 h31.5; Assembly Notes "A0" at 1662.09,797.09 h31.5; Assembly Notes "C15" at 1751.09,797.09 h31.5; Assembly Notes "C14" at 1862.09,800.09 h31.5; Assembly Notes "C13" at 1963.09,798.09 h31.5; Assembly Notes "VB" at 2073.09,795.09 h31.5; Top Overlay "G" at 192.09,801.09 h31.5; Top Overlay "G" at 289.09,797.09 h31.5; Top Overlay "3.3" at 360.09,798.09 h31.5; Top Overlay "R" at 488.09,797.09 h31.5; Top Overlay "B11" at 562.09,798.09 h31.5; Top Overlay "B10" at 660.09,797.09 h31.5; Top Overlay "B1" at 770.09,799.09 h31.5; Top Overlay "B0" at 869.09,798.09 h31.5; Top Overlay "A7" at 965.09,796.09 h31.5; Top Overlay "A6" at 1068.09,800.09 h31.5; Top Overlay "A5" at 1166.09,798.09 h31.5; Top Overlay "A4" at 1266.09,799.09 h31.5; Top Overlay "A3" at 1364.09,798.09 h31.5; Top Overlay "A2" at 1469.09,800.09 h31.5; Top Overlay "A1" at 1576.09,797.09 h31.5; Top Overlay "A0" at 1662.09,797.09 h31.5; Top Overlay "C15" at 1751.09,797.09 h31.5; Top Overlay "C14" at 1862.09,800.09 h31.5; Top Overlay "C13" at 1963.09,798.09 h31.5; Top Overlay "VB" at 2073.09,795.09 h31.5
J3: Assembly Notes "3.3" at 2065.09,71.09 h31.5; Assembly Notes "G" at 1993.09,71.09 h31.5; Assembly Notes "5V" at 1873.09,68.09 h31.5; Assembly Notes "B9" at 1778.09,71.09 h31.5; Assembly Notes "B8" at 1675.09,71.09 h31.5; Assembly Notes "B7" at 1569.09,71.09 h31.5; Assembly Notes "B6" at 1473.09,72.09 h31.5; Assembly Notes "B5" at 1376.09,71.09 h31.5; Assembly Notes "B4" at 1274.09,72.09 h31.5; Assembly Notes "B3" at 1174.09,72.09 h31.5; Assembly Notes "A15" at 1066.09,73.09 h31.5; Assembly Notes "A12" at 958.09,72.09 h31.5; Assembly Notes "A11" at 864.09,73.09 h31.5; Assembly Notes "A10" at 763.09,74.09 h31.5; Assembly Notes "A9" at 673.09,75.09 h31.5; Assembly Notes "A8" at 572.09,75.09 h31.5; Assembly Notes "B15" at 463.09,72.09 h31.5; Assembly Notes "B14" at 358.09,72.09 h31.5; Assembly Notes "B13" at 255.09,71.09 h31.5; Assembly Notes "B12" at 145,66 h31.5; Top Overlay "3.3" at 2065.09,71.09 h31.5; Top Overlay "G" at 1993.09,71.09 h31.5; Top Overlay "5V" at 1873.09,68.09 h31.5; Top Overlay "B9" at 1778.09,71.09 h31.5; Top Overlay "B8" at 1675.09,71.09 h31.5; Top Overlay "B7" at 1569.09,71.09 h31.5; Top Overlay "B6" at 1473.09,72.09 h31.5; Top Overlay "B5" at 1376.09,71.09 h31.5; Top Overlay "B4" at 1274.09,72.09 h31.5; Top Overlay "B3" at 1174.09,72.09 h31.5; Top Overlay "A15" at 1066.09,73.09 h31.5; Top Overlay "A12" at 958.09,72.09 h31.5; Top Overlay "A11" at 864.09,73.09 h31.5; Top Overlay "A10" at 763.09,74.09 h31.5; Top Overlay "A9" at 673.09,75.09 h31.5; Top Overlay "A8" at 572.09,75.09 h31.5; Top Overlay "B15" at 463.09,72.09 h31.5; Top Overlay "B14" at 358.09,72.09 h31.5; Top Overlay "B13" at 255.09,71.09 h31.5; Top Overlay "B12" at 145,66 h31.5
J5: Top Overlay "GND" at 2157,643.7 h27.56 r270; Top Overlay "CLK" at 2157,543.7 h27.56 r270; Top Overlay "3V3" at 2157,333.7 h27.56 r270; Top Overlay "DIO" at 2157,433.7 h27.56 r270